# Altium PCB RGV_Control_1V21_unpoly.PcbDoc (part 1 of 5) (continued)
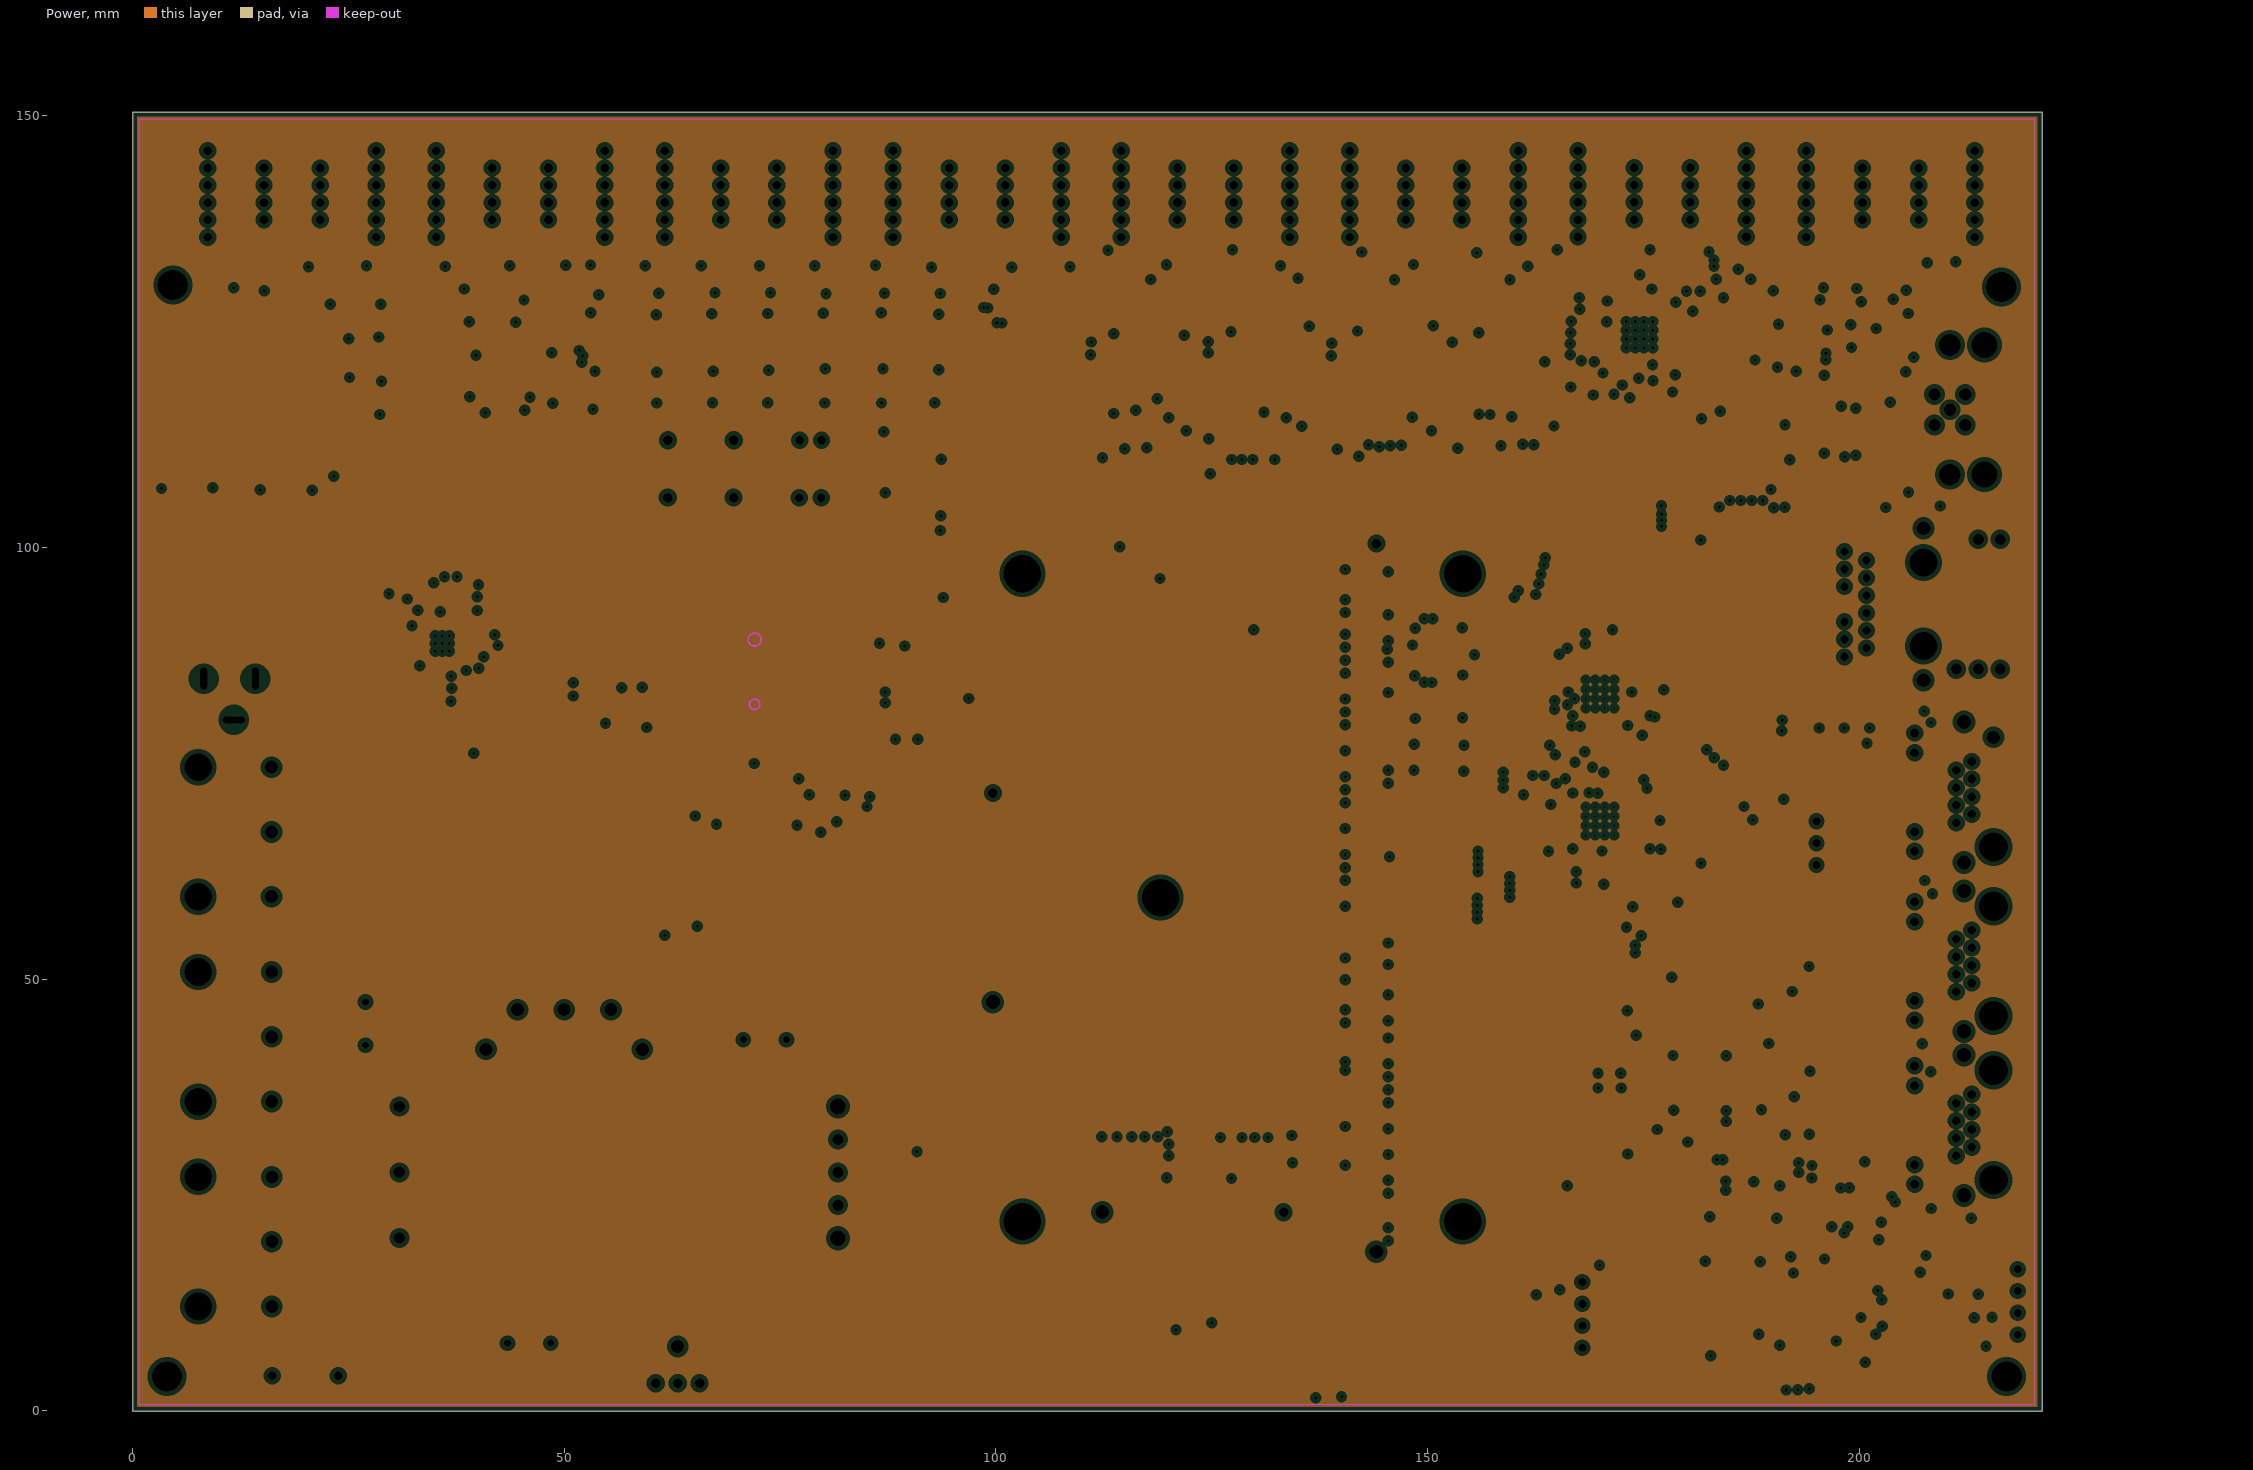
[diagram p3: Power, clearances drawn from the general rule]

## Layer stack, top to bottom
Top Solder: solder mask 0.02, Solder Resist, Dk 3.5
Top Layer: signal copper 0.043
Dielectric 1: prepreg 0.1123, FR-4, Dk 4.8
GND: plane copper 0.035
Dielectric 2: core 1.1794, FR-4, Dk 4.8
Power: plane copper 0.035
Dielectric 3: prepreg 0.1123, FR-4, Dk 4.8
Bottom Layer: signal copper 0.043
Bottom Solder: solder mask 0.02, Solder Resist, Dk 3.5

## Board outline
0.025,-0.025 0.025,150.393 221.132,150.393 221.132,-0.025

## Design rules (kind name [scope] priority, off if disabled: settings)
Clearance [All] p1: gap=0.1 ignorepadtopadclearanceinfootprint=FALSE
DiffPairsRouting DiffPairsRouting_55_100 [(InDifferentialPairClass('LAN'))] p1: maxlimit=0.18 minlimit=0.18 mostfreqgap=0.18 toplayer_minwidth=0.15 toplayer_maxwidth=0.15 toplayer_prefwidth=0.15 bottomlayer_minwidth=0.15 bottomlayer_maxwidth=0.15 bottomlayer_prefwidth=0.15 maxuncoupledlength=12.7
DiffPairsRouting DiffPairsRouting_50_90 [(InDifferentialPairClass('USB'))] p2: maxlimit=0.165 minlimit=0.165 mostfreqgap=0.165 toplayer_minwidth=0.18 toplayer_maxwidth=0.18 toplayer_prefwidth=0.18 bottomlayer_minwidth=0.18 bottomlayer_maxwidth=0.18 bottomlayer_prefwidth=0.18 maxuncoupledlength=12.7
DiffPairsRouting [All] p3: maxlimit=0.254 minlimit=0.254 mostfreqgap=0.254 toplayer_minwidth=0.381 toplayer_maxwidth=0.381 toplayer_prefwidth=0.381 bottomlayer_minwidth=0.381 bottomlayer_maxwidth=0.381 bottomlayer_prefwidth=0.381 maxuncoupledlength=12.7
PlaneClearance [All] p1: clearance=0.508
PlaneConnect PlaneConnect_X1 [HasFootprint('T_JAE_MM70-314-310B1')] p1: planeconnectstyle=Direct reliefexpansion=0.508 reliefentries=4 reliefconductorwidth=0.254 reliefairgap=0.254
PlaneConnect PlaneConnect_VIAS [Isvia] p2: planeconnectstyle=Direct reliefexpansion=0.508 reliefentries=4 reliefconductorwidth=0.254 reliefairgap=0.254
PlaneConnect [All] p3: planeconnectstyle=Relief reliefexpansion=0.3 reliefentries=4 reliefconductorwidth=0.3 reliefairgap=0.15
PolygonConnect [All] p1: connectstyle=Relief reliefconductorwidth=0.254 reliefentries=4 polygonreliefangle="90 Angle" airgapwidth=0.254
RoutingVias [All] p1: holewidth=0.3 width=0.6 viastyle="Through Hole" minholewidth=0.3 minwidth=0.6 maxholewidth=0.3 maxwidth=0.6
SolderMaskExpansion [All] p1: expansion=0.102
Width Relay [(InNet('RL11') OR InNet('RL12') OR InNet('RL21') OR InNet('RL22'))] p1: maxlimit=1.5 minlimit=0.3 preferedwidth=0.5
Width Single_Ended_50 [(InDifferentialPairClass('USB') or InDifferentialPairClass('HDMI'))or (InNet('VGA1_R') or InNet('VGA1_G') or InNet('VGA1_B')or InNet('VGA1_HSYNC')or InNet('VGA1_VSYNC')or InNet('VGA1_HSYNC_5V')or InNet('VGA1_VSYNC_5V')or InNet('VGA1_HSYNC_5V_R')or InNet('VGA1_VSYNC_5V_R'))] p2: maxlimit=0.18 minlimit=0.1 preferedwidth=0.18
Width Single_Ended_55 [(InDifferentialPairClass('LAN') or InDifferentialPairClass('LVDS') or InDifferentialPairClass('SATA'))] p3: maxlimit=0.15 minlimit=0.15 preferedwidth=0.15
Width Power [(InNet('3.3V') OR InNet('5V_SW') OR InNet('3.3V_APALIS')OR  InNet('3.3V_SW') OR InNet('GND_IN')OR InNet('12V_IN') OR InNet('48V_IN') OR InNet('AGND') OR InNet('EARTH') OR InNet('OUT_12V+') OR InNet('GND') OR InNet('12G_ISO') OR InNet('12V_ISO') OR InNet('3.3V_CAN') OR InNet('3.3V_MMC') OR InNet('3.3V_NB') OR InNet('3.3V_RS232') OR InNet('3.3V_UART') OR InNet('3V3')OR InNet('CAN_5V_ISO') OR InNet('CAN_GND_ISO') OR InNet('RS232_5V_ISO') OR InNet('RS232_GND_ISO') OR InNet('VBUS_NB') OR InNet('RS485_3.3V_ISO') OR InNet('RS485_GND_ISO') OR InNet('VCC_1V8') OR InNet('SHIELD') OR InNet('V5FILT') OR InNet('VREG3') OR InNet('NetC53_1') OR InNet('NetC53_2') OR InNet('NetC56_1') OR InNet('NetC56_2') OR InNet('NetD19_3') OR InNet('NetD19_2') OR InNet('NetC164_2') OR InNet('NetD20_2') OR InNet('NetC66_1')OR InNet('DOO01') OR InNet('DOO02') OR InNet('VUSB'))] p4: maxlimit=1.2 minlimit=0.1 preferedwidth=0.3
Width [All] p5: maxlimit=0.3 minlimit=0.1 preferedwidth=0.15
27 further rules are at their usual default settings.

## Classes and differential pairs
differential pair class LAN: ETH1_MDI0 ETH1_MDI1 ETH1_MDI2 ETH1_MDI3
differential pair class USB: BC20_DEBUG BC20_DEBUG_CON USB_BC20 USB_NB_CON USBH2_D USBH2B_D USBH2B_D_CON USBH2C_D USBH2C_D_CON USBH2D_D USBH2D_D_CON USBH3_D USBH4_D
net class USBH2_[0..1]: USBH2_0 USBH2_1
net class SYSTEM_CTRL_MXM[0..3]: SYSTEM_CTRL_MXM0 SYSTEM_CTRL_MXM1 SYSTEM_CTRL_MXM2 SYSTEM_CTRL_MXM3
net class SYSTEM_CTRL[0..3]: SYSTEM_CTRL0 SYSTEM_CTRL1 SYSTEM_CTRL2 SYSTEM_CTRL3
component class 15_GPIOs_2: C28 C29 DO1 DO2 IC7 LED10 Q3 Q4 R51 R52 R53 R54 R55 R56 R144 RA2 RP1 T11 TP11 TP12 U15 U16 U17
component class 14_GPIOs_1: C15 C16 C17 C18 C19 C20 C21 C22 C23 C24 C25 C26 C27 D1 D2 D3 D4 D5 D6 D7 D8 D9 D10 D11 D12 DI1 DI2 DI3 DI4 DI5 DI6 DI7 DI8 DI9 DI10 DI11 DI12 DI13 DI14 IC6 L3 LED5 LED6 P3 P4 P5 P6 P7 Q1 Q2 R15 R16 R17 R18 R19 R20 R21 R22 R23 R24 R25 R26 R27 R28 R29 R30 R31 R32 R39 R44 R45 R46 R47 R48 R49 R50 R136 R137 R138 R139 RA3 RA11 U1 U2 U3 U4 U5 U6 U7 U8 U9 U10 U11 U12 U13 U14
component class 13_NB-IOT_Peripheral: C43 C44 C45 C46 C47 C48 C49 C50 C51 C52 D40 D41 D42 IC8 IC9 IC10 L5 L17 R66 R67 R68 R69 R70 R71 R72 R74 R75 R76 R77 TP9 TP10 X5
component class 12_NB-IOT_Core: C30 C31 C32 C33 C34 C35 C36 C37 C38 C39 C40 C41 C42 C172 C173 C174 C175 C176 D36 D37 D38 D39 J1 J2 L4 L16 LED7 LED8 R57 R58 R59 R60 R61 R62 R63 R64 R65 SW1 T3 T4 T5 T6 U18 X3 X4
component class 11_RS232_2: C109 C110 C111 C112 C113 C114 C115 C116 C117 C118 C119 C120 C121 C122 C123 C124 C125 C126 C127 C128 C129 C130 C131 IC17 IC18 IC19 IC20 IC21 IC22 L8 P12 R95 TP1101 TP1102
component class 10_RS232_1: C89 C90 C91 C92 C93 C94 C95 C96 C97 C98 C99 C100 C101 C102 C103 C104 C105 C106 C107 C108 IC12 IC13 IC14 IC15 IC16 P11 R93
component class 9_USB_Connectors: D27 D28 D29 D30 D31 D32 D33 D34 D35 L11 L13 L15 P16
component class 8_USB_Hub: C149 C150 C151 C152 C153 C154 C155 C156 C157 C158 C159 C160 C161 C162 IC32 OSC2 R121 R122 R123 R124 R125 R126 R127 R128
component class 7_UART&RS485: C137 C138 C139 C140 C141 C142 C143 C144 C145 C146 C147 C148 C168 C169 IC24 IC25 IC26 IC27 IC28 IC30 IC31 L10 P13 P14 P15 R113 R114 R115 R116 R117 R118 R119 R120 R141 RA8 RA9 RA10 TP701 TP702
component class 6_CAN: C1 C2 C3 C4 C5 C6 C7 C170 C171 IC1 IC2 IC3 IC4 L1 LED1 LED2 LED3 LED4 P1 P2 R1 R2 R3 R4 R5 R6 R7 R8 R142 R143 RA1 TP601 TP602
component class 5_Ethernet: C8 C9 C10 C11 C12 C13 C14 C165 L2 R9 R10 R11 R12 R13 R14 R134 X2
component class 4_SDCard: C134 C135 C136 C166 L9 R103 R104 R105 R106 R107 R108 R109 R110 R111 R112 R135 RA5 RA6 RA7 TP2 X7
component class 3_RTC: BAT1 C132 C133 D25 D26 IC23 OSC1 R96 R97 R98 R99 R100 R101 R102
component class 2_Power_Switch: C65 C66 C67 C71 C72 C73 C74 C75 C76 C77 C78 C79 C80 C81 C82 C83 C84 C86 C87 C88 C167 IC5 IC11 L20 L21 LED9 R33 R34 R35 R36 R37 R38 R40 R41 R42 R43 R83 R84 R85 R86 R87 R88 R89 R90 R91 R140 RA4 SW2 T1 T2 T7 T8 T10 TP1
component class 1_Power_Supply: C53 C54 C55 C56 C57 C58 C59 C60 C61 C62 C63 C64 C68 C69 C70 C163 C164 D19 D20 D21 D22 D23 D24 E1 E2 E3 F1 FU1 FU2 L6 L7 L18 L19 P8 P9 P10 R78 R79 R80 R81 R82 R129 R130 R131 R132 R133 TP3 TP4 TP6 TP7 TP8 U19 U20 U21 X1 X6 Y1 Y2
differential pair BC20_DEBUG: +BC20_DEBUG_P -BC20_DEBUG_N
differential pair BC20_DEBUG_CON: +BC20_DEBUG_CON_P -BC20_DEBUG_CON_N
differential pair USBH4_D: +USBH4_D_P -USBH4_D_N
differential pair USBH3_D: +USBH3_D_P -USBH3_D_N
differential pair USBH2D_D: +USBH2D_D_P -USBH2D_D_N
differential pair USBH2D_D_CON: +USBH2B_D_CON_P -USBH2B_D_CON_N
differential pair USBH2C_D: +USBH2C_D_P -USBH2C_D_N
differential pair USBH2C_D_CON: +USBH2C_D_CON_P -USBH2C_D_CON_N
differential pair USBH2B_D: +USBH2B_D_P -USBH2B_D_N
differential pair USBH2B_D_CON: +USBH2D_D_CON_P -USBH2D_D_CON_N
differential pair USBH2_D: +USBH2_D_P -USBH2_D_N
differential pair USB_NB_CON: +USB_NB_CON_P -USB_NB_CON_N
differential pair USB_BC20: +USB_BC20_P -USB_BC20_N
differential pair ETH1_MDI3: +ETH1_MDI3_P -ETH1_MDI3_N
differential pair ETH1_MDI2: +ETH1_MDI2_P -ETH1_MDI2_N
differential pair ETH1_MDI1: +ETH1_MDI1_P -ETH1_MDI1_N
differential pair ETH1_MDI0: +ETH1_MDI0_P -ETH1_MDI0_N

## Components (designator, comment, footprint, x,y, rotation, side; value= is the part's Value field where it differs from the comment)
BAT1 "=\"Manufacturer Part No.\"" CR1220-Z 72.06,85.649 r270 top
C1 "100nF" T_CAPC0603X33N 189.35,35.65 r270 top
C2 "100nF" T_CAPC0603X33N 188.646,41.759 r90 top
C3 "100nF" T_CAPC0603X33N 174.142,41.759 r90 top
C4 "100nF" T_CAPC0603X33N 189.275,47.875 r270 top
C5 "4.7uF" T_CAPMP3216X180N 174.701,57.664 r90 top
C6 "1uF" T_CAPMP3216X180N 182.22,46.865 r180 top
C7 "100nF" T_CAPC0603X33N 173.025,57.608 r270 top
C8 "1nF" CAPC1005X60N 210.414,104.791 r0 top
C9 "100nF" T_CAPC0603X33N 192.405,80.791 r90 top
C10 "100nF" T_CAPC0603X33N 201.168,80.791 r90 top
C11 "100nF" T_CAPC0603X33N 193.04,78.765 r0 top
C12 "100nF" T_CAPC0603X33N 198.247,80.791 r90 top
C13 "47uF" T_CAPMP3216X180N 197.968,77.267 r0 top
C14 "100nF" T_CAPC0603X33N 195.326,80.791 r90 top
C15 "104/50V" 0603c 81.407,130.404 r90 top
C16 "104/50V" 0603c 36.983,129.704 r90 bottom
C17 "104/50V" 0603c 88.062,130.404 r90 top
C18 "104/50V" 0603c 44.375,129.704 r90 bottom
C19 "104/50V" 0603c 94.717,130.404 r90 top
C20 "104/50V" 0603c 51.575,129.704 r90 bottom
C21 "104/50V" 0603c 55.016,130.404 r90 top
C22 "100nF" T_CAPC0603X33N 183.083,100.787 r180 bottom
C23 "100nF" T_CAPC0603X33N 183.083,114.884 r180 bottom
C24 "104/50V" 0603c 61.951,130.404 r90 top
C25 "104/50V" 0603c 68.436,130.404 r90 top
C26 "104/50V" 0603c 74.922,130.404 r90 top
C27 "100nF" T_CAPC0603X33N 98.877,129.21 r270 top
C28 "4.7uF" T_CAPMP3216X180N 14.55,128.025 r180 bottom
C29 "1uF" T_CAPMP3216X180N 25.107,121.121 r90 bottom
C30 "100nF" T_CAPC0603X33N 186.08,26.568 r180 top
C31 "NM" T_CAPC0603X33N 209.349,21.525 r90 top
C32 "NM" T_CAPC0603X33N 213.825,21.525 r90 top
C33 "100pF" T_CAPC0603X33N 178.246,7.782 r0 top
C34 "NM" T_CAPC0603X33N 181.356,6.385 r180 top
C35 "NM" T_CAPC0603X33N 183.566,7.045 r90 top
C36 "100nF" T_CAPC0603X33N 189.75,9.601 r270 bottom
C37 "33pF" T_CAPC0603X33N 190.975,9.6 r90 bottom
C38 "4.7uF" T_CAPC0603X33N 163.122,14.224 r270 top
C39 "100nF" T_CAPC0603X33N 164.465,14.224 r270 top
C40 "33pF" T_CAPC0603X33N 195.1,16.85 r270 bottom
C41 "33pF" T_CAPC0603X33N 194.462,6.274 r180 bottom
C42 "33pF" T_CAPC0603X33N 195.936,7.518 r180 bottom
C43 "4.7uF" T_CAPC0603X33N 213.995,8.255 r270 top
C44 "100nF" T_CAPC0603X33N 197.942,16.688 r270 bottom
C45 "100nF" T_CAPC0603X33N 207.874,17.374 r180 bottom
C46 "1uF" T_CAPC0603X33N 209.499,13.792 r270 bottom
C47 "100nF" T_CAPC0603X33N 212.166,11.913 r270 bottom
C48 "4.7uF" T_CAPC0603X33N 210.922,11.913 r270 bottom
C49 "100nF" T_CAPC0603X33N 190.325,19.675 r180 bottom
C50 "1uF" T_CAPC0603X33N 190.319,18.288 r180 bottom
C51 "2.2uF" T_CAPC0603X33N 195.975,20.8 r180 bottom
C52 "100nF" T_CAPC0603X33N 196,22.15 r180 bottom
C53 "1uF-100V-10%-1210-X7R" 1210 46.203,17.399 r0 top
C54 "1uF-100V-10%-1210-X7R" 1210 40.919,24.054 r90 top
C55 "1uF-100V-10%-1210-X7R" 1210 46.253,21.717 r0 top
C56 "1uF-100V-10%-1210-X7R" 1210 73.355,31.623 r0 top
C57 "10nF-2KV-10%-1210-X7R" 1210 22.657,27.534 r0 bottom
C58 "10nF-2KV-10%-1210-X7R" 1210 22.733,22.86 r0 top
C59 "10uf-50V-20%-1210-X5R" CAPC3225X160N 41.456,77.622 r270 top value=10uF
C60 "10uf-50V-20%-1210-X5R" CAPC3225X160N 37.531,77.622 r270 top value=10uF
C61 "10uf-50V-20%-1210-X5R" CAPC3225X160N 33.607,77.622 r270 top value=10uF
C62 "22uF" CAPMP3528X210N 143.002,107.925 r180 top
C63 "4.7uF" T_CAPMP3216X180N 151.257,85.217 r0 top
C64 "4.7uF" T_CAPMP3216X180N 151.257,90.703 r0 top
C65 "10uF" T_CAPC0805X125N 38.506,82.906 r90 top
C66 "100nF" T_CAPC0603X33N 39.957,88.113 r90 top
C67 "1uF" T_CAPC0603X33N 34.788,83.528 r90 top
C68 "4.7uF" T_CAPMP3216X180N 151.257,77.089 r0 top
C69 "4.7uF" T_CAPMP3216X180N 151.257,74.092 r0 top
C70 "4.7uF" T_CAPMP3216X180N 151.257,80.213 r0 top
C71 "10uF" CAPC3225X160N 24.856,84.43 r180 top
C72 "10uF" CAPC3225X160N 24.856,80.747 r180 top
C73 "100nF" T_CAPC0603X33N 52.756,85.09 r90 top
C74 "1nF" T_CAPC0603X33N 36.155,94.463 r270 top
C75 "2.7nF" CAPC1005X60N 38.544,95.68 r270 top
C76 "10uF" T_CAPC0805X125N 52.654,81.839 r270 top
C77 "150uF" CAPMP7343X310N 30.493,105.742 r0 top
C78 "100nF" T_CAPC0603X33N 31.344,88.43 r90 top
C79 "150uF" CAPMP7343X310N 30.493,100.025 r0 top
C80 "10uF" T_CAPC0603X33N 33.518,83.528 r90 top
C81 "10uF" CAPC3225X160N 29.682,77.622 r270 top
C82 "10uF" CAPC3225X160N 46.319,80.747 r0 top
C83 "10uF" CAPC3225X160N 46.319,84.43 r0 top
C84 "150uF" CAPMP7343X310N 40.653,105.742 r180 top
C86 "150uF" CAPMP7343X310N 40.653,100.025 r180 top
C87 "1nF" T_CAPC0603X33N 33.048,94.793 r90 top
C88 "10nF" T_CAPC0603X33N 69.799,57.969 r90 top
C89 "100nF" T_CAPC0603X33N 121.2,131.95 r90 top
C90 "100nF" T_CAPC0603X33N 111.884,131.216 r90 top
C91 "4.7uF" T_CAPC0603X33N 162.154,72.187 r270 top
C92 "4.7uF" T_CAPC0603X33N 176.941,66.721 r90 top
C93 "4.7uF" T_CAPC0603X33N 168.732,61.138 r0 top
C94 "100nF" T_CAPC0603X33N 168.732,62.433 r0 top
C95 "100nF" T_CAPC0603X33N 175.696,66.721 r90 top
C96 "470nF" T_CAPC0603X33N 110.614,129.21 r90 top
C97 "100nF" T_CAPC0603X33N 163.5,72.187 r270 top
C98 "100nF" T_CAPC0603X33N 113.005,111.328 r180 top
C99 "100nF" T_CAPC0603X33N 121.075,125.625 r180 top
C100 "470nF" T_CAPC0603X33N 114.7,133.325 r0 top
C101 "470nF" T_CAPC0603X33N 112.75,125.925 r180 top
C102 "100nF" T_CAPC0603X33N 134.3,131.95 r270 top
C103 "100nF" T_CAPC0603X33N 124.99,131.368 r90 top
C104 "470nF" T_CAPC0603X33N 123.67,129.299 r90 top
C105 "100nF" T_CAPC0603X33N 126.543,111.328 r180 top
C106 "100nF" T_CAPC0603X33N 134.575,125.679 r180 top
C107 "470nF" T_CAPC0603X33N 128.3,133.325 r0 top
C108 "470nF" T_CAPC0603X33N 125.168,126.009 r180 top
C109 "4.7uF" T_CAPMP3216X180N 114.383,97.321 r270 bottom
C110 "1uF" T_CAPMP3216X180N 121.647,108.527 r180 bottom
C111 "100nF" T_CAPC0603X33N 168.402,118.567 r180 top
C112 "100nF" T_CAPC0603X33N 149.809,131.928 r90 top
C113 "100nF" T_CAPC0603X33N 140.183,131.318 r90 top
C114 "4.7uF" T_CAPC0603X33N 166.325,76.075 r0 top
C115 "4.7uF" T_CAPC0603X33N 169.85,90.021 r0 top
C116 "4.7uF" T_CAPC0603X33N 176.987,81.89 r90 top
C117 "100nF" T_CAPC0603X33N 175.743,81.915 r90 top
C118 "100nF" T_CAPC0603X33N 169.85,88.827 r0 top
C119 "470nF" T_CAPC0603X33N 138.786,129.235 r90 top
C120 "100nF" T_CAPC0603X33N 166.3,77.275 r0 top
C121 "100nF" T_CAPC0603X33N 141.224,111.379 r180 top
C122 "100nF" T_CAPC0603X33N 149.098,125.679 r180 top
C123 "470nF" T_CAPC0603X33N 143.05,133.325 r0 top
C124 "470nF" T_CAPC0603X33N 141.097,125.781 r180 top
C125 "100nF" T_CAPC0603X33N 162.814,131.775 r270 top
C126 "100nF" T_CAPC0603X33N 153.492,131.318 r90 top
C127 "470nF" T_CAPC0603X33N 152.171,129.261 r90 top
C128 "100nF" T_CAPC0603X33N 155.2,111.4 r180 top
C129 "100nF" T_CAPC0603X33N 162.992,125.679 r180 top
C130 "470nF" T_CAPC0603X33N 156.45,133.325 r0 top
C131 "470nF" T_CAPC0603X33N 154.915,125.781 r180 top
C132 "22uF" CAPC3225X160N 94.499,84.061 r90 top
C133 "100nF" T_CAPC0603X33N 90.221,87.528 r0 top
C134 "10uF" T_CAPC0603X33N 121.45,30.875 r0 bottom
C135 "100nF" T_CAPC0603X33N 121.458,29.563 r0 bottom
C136 "10nF" T_CAPC0603X33N 133.604,29.563 r180 bottom
C137 "100nF" T_CAPC0603X33N 189.7,70.85 r180 top
C138 "100nF" T_CAPC0603X33N 181.127,68.923 r90 top
C139 "100nF" T_CAPC0603X33N 179.756,66.675 r90 top
C140 "100nF" T_CAPC0603X33N 185.95,70.85 r180 top
C141 "100nF" T_CAPC0603X33N 181.178,64.872 r90 top
C142 "100nF" T_CAPC0603X33N 204.089,106.375 r0 bottom
C143 "100nF" T_CAPC0603X33N 204.038,120.32 r0 bottom
C144 "4.7uF" T_CAPMP3216X180N 184.658,131.089 r180 bottom
C145 "1uF" T_CAPMP3216X180N 195.301,123.825 r90 bottom
C146 "100nF" T_CAPC0603X33N 191.237,106.705 r180 top
C147 "100nF" T_CAPC0603X33N 191.211,120.396 r180 top
C148 "100nF" T_CAPC0603X33N 188.168,132.907 r180 bottom
C149 "4.7uF" T_CAPC0603X33N 168.541,122.326 r0 top
C150 "100nF" T_CAPC0603X33N 168.541,123.571 r0 top
C151 "100nF" T_CAPC0603X33N 173.66,120.193 r0 top
C152 "100nF" T_CAPC0603X33N 180.746,128.549 r180 top
C153 "100nF" T_CAPC0603X33N 178.65,121.525 r90 top
C154 "100nF" T_CAPC0603X33N 169.266,127.584 r0 top
C155 "100nF" T_CAPC0603X33N 174.574,129.794 r270 top
C156 "1uF" T_CAPC0603X33N 169.24,128.905 r0 top
C157 "33pF" T_CAPC0603X33N 186.588,127.381 r270 top
C158 "100nF" T_CAPC0603X33N 168.504,126.187 r0 top
C159 "1uF" T_CAPC0603X33N 168.515,124.841 r0 top
C160 "33pF" T_CAPC0603X33N 186.588,121.615 r90 top
C161 "100nF" T_CAPC0603X33N 180.061,126.56 r270 top
C162 "1uF" T_CAPC0603X33N 181.331,126.56 r270 top
C163 "1uF-100V-10%-1210-X7R" 1210 36.551,24.054 r90 top
C164 "100nf-50V-10%-0603-X7R" T_CAPC0603X33N 22.555,53.315 r90 top value=100nF
C165 "100nF" T_CAPC0603X33N 207.848,104.635 r180 top
C166 "100nF" T_CAPC0603X33N 137.795,2.311 r90 bottom
C167 "100nF" T_CAPC0603X33N 65.236,70.387 r90 top
C168 "100nF" T_CAPC0603X33N 202.475,128.525 r0 top
C169 "100nF" T_CAPC0603X33N 209.1,78.875 r0 bottom
C170 "100nF" T_CAPC0603X33N 209.067,40.183 r0 bottom
C171 "100nF" T_CAPC0603X33N 209.194,58.928 r0 bottom
C172 "100nf-50V-10%-0603-X7R" T_CAPC0603X33N 193.726,27.61 r180 top value=100nF
C173 "100pf-50V-10%-0603-X7R" T_CAPC0603X33N 193.687,26.289 r180 top value=100nF
C174 "22pf-50V-5%-0402-NP0" CAPC0402 191.262,26.086 r0 top value=100nF
C175 "100uf-10V-10%-3528-TA" T_CAPMP3216X180N 191.364,29.032 r90 top value=1uF
C176 "100nf-50V-10%-0603" T_CAPC0603X33N 183.464,21.895 r180 top value=100nF
D1 "LL4148" 3216 81.255,128.118 r90 top
D2 "LL4148" 3216 36.958,127.367 r90 bottom
D3 "LL4148" 3216 88.113,128.118 r90 top
D4 "LL4148" 3216 44.223,127.367 r90 bottom
D5 "LL4148" 3216 94.767,128.118 r90 top
D6 "LL4148" 3216 51.422,127.267 r90 bottom
D7 "LL4148" 3216 54.839,128.092 r90 top
D8 "LL4148" 3216 61.976,128.092 r90 top
D9 "LL4148" 3216 68.402,128.118 r90 top
D10 "LL4148" 3216 78.511,103.226 r270 top
D11 "LL4148" 3216 78.384,109.703 r270 top
D12 "LL4148" 3216 74.828,128.118 r90 top
D19 "MBRB735PBF" T_VISHAY_MBRB735PBF 47.066,60.427 r90 top
D20 "=\"Manufacturer Part No.\"" T_VISHAY_MBRB735PBF 30.657,60.427 r90 top
D21 "LED红" LC-0805_LED_S3 9.322,109.627 r90 top
D22 "LED红" LC-0805_LED_S3 20.856,109.627 r90 top
D23 "LED红" LC-0805_LED_S3 14.832,109.627 r90 top
D24 "LED红" LC-0805_LED_S3 3.429,109.627 r90 top
D25 "BAT54" SOT95P230X110-3N 94.427,89.731 r270 top
D26 "BAT54" SOT95P230X110-3N 90.703,91.415 r270 top
D27 "ESD9L5.0ST5G" LC-SOD-923 171.552,142.766 r90 bottom
D28 "ESD9L5.0ST5G" LC-SOD-923 175.775,142 r90 bottom
D29 "ESD9L5.0ST5G" LC-SOD-923 178.075,142.766 r90 bottom
D30 "ESD9L5.0ST5G" LC-SOD-923 182.35,142 r90 bottom
D31 "ESD9L5.0ST5G" LC-SOD-923 165.252,142.766 r90 bottom
D32 "ESD9L5.0ST5G" LC-SOD-923 169.52,142 r90 bottom
D33 "PTVSHC3D12VU" LC-SOD-323 164.998,136.931 r90 bottom
D34 "PTVSHC3D12VU" LC-SOD-323 175.675,136.7 r90 bottom
D35 "PTVSHC3D12VU" LC-SOD-323 182.525,137.05 r90 bottom
D36 "PTVSHC3D12VU" LC-SOD-323 193.116,30.836 r270 top
D37 "PTVSHC3D12VU" LC-SOD-323 170.815,15.723 r270 top
D38 "ESD9L5.0ST5G" LC-SOD-923 166.091,13.564 r90 bottom
D39 "ESD9L5.0ST5G" LC-SOD-923 166.091,8.763 r270 bottom
D40 "PTVSHC3D12VU" LC-SOD-323 216.129,9.576 r270 bottom
D41 "ESD9L5.0ST5G" LC-SOD-923 216.383,15.697 r90 bottom
D42 "ESD9L5.0ST5G" LC-SOD-923 215.325,12.4 r90 top
DI1 "LED绿" LC-0805_LED_S3 81.286,132.625 r180 top
DI2 "LED绿" LC-0805_LED_S3 35.357,132.625 r180 top
DI3 "LED绿" LC-0805_LED_S3 88.011,132.625 r180 top
DI4 "LED绿" LC-0805_LED_S3 41.876,132.625 r180 top
DI5 "LED绿" LC-0805_LED_S3 94.53,132.625 r180 top
DI6 "LED绿" LC-0805_LED_S3 48.395,132.625 r180 top
DI7 "LED绿" LC-0805_LED_S3 54.915,132.625 r180 top
DI8 "LED绿_0805" LC-0805_LED_S3 100.975,132.625 r180 top
DI9 "LED绿_0805" LC-0805_LED_S3 107.569,132.625 r180 top
DI10 "LED绿_0805" LC-0805_LED_S3 211.15,130.225 r270 top
DI11 "LED绿" LC-0805_LED_S3 61.722,132.625 r180 top
DI12 "LED绿_0805" LC-0805_LED_S3 207.975,130.225 r270 top
DI13 "LED绿" LC-0805_LED_S3 68.243,132.625 r180 top
DI14 "LED绿" LC-0805_LED_S3 74.765,132.625 r180 top
DO1 "LED绿" LC-0805_LED_S3 39.319,127.102 r90 top
DO2 "LED绿" LC-0805_LED_S3 39.294,118.389 r90 top
E1 "220uF-100V-RB0.3" 5*13 45.949,7.849 r0 top locked
E2 "470uF/35V/ZLH" RB0.3 27,44.85 r270 top
E3 "1000uF/35V/ZLH" 5*13 73.254,43.002 r0 top
F1 "21612.5P" RAD0.3 20.015,4.089 r90 top
FU1 "FUSE/15A" FUSE-1808-3A 49.225,75.946 r0 top
FU2 "FUSE/3A" FUSE-1808-3A 21.463,61.214 r90 top
IC1 "MCP2551T-I/SN" SOIC127P600X173-8N 193.8,35.805 r0 top
IC2 "ADuM1402ARWZ" T_AD_ADuM1300ARW 181.458,37.974 r0 top locked
IC3 "MCP2551T-I/SN" SOIC127P600X173-8N 193.802,47.93 r0 top
IC4 "B0505XT-1W" MORNSUN_B0305XT-1W_SMD 182.042,55.144 r0 top locked
IC5 "TPS51120" QFN50P500X500X100-33N 35.905,88.875 r270 top locked
IC6 "ADuM1400ARWZ" T_AD_ADuM1300ARW 186.893,107.823 r270 bottom
IC7 "B0505XT-1W" MORNSUN_B0305XT-1W_SMD 16.979,120.532 r270 bottom
IC8 "=\"Manucfacturer Part NO.\"" LC-QFN-24_4x4x05P 212.674,16.256 r180 bottom
IC9 "=\"Manufacturer Part No.\"" LC-TSSOP-20 202.616,19.718 r90 bottom
IC10 "=\"Manufacturer Part No.\"" LC-SOT-23-5 190.992,22.352 r180 bottom
IC11 "NCV4264-2ST50T3G" T_ON_NCV4264-2ST50T3G 57.937,83.729 r0 top
IC12 "=\"Manucfacturer Part NO.\"" QFN50P900X900X90_HS-65N 169.926,68.301 r0 top locked
IC13 "ADuM1402ARWZ" T_AD_ADuM1300ARW 116.815,118.339 r90 top locked
IC14 "MAX3232EUE" LC-TSSOP-16 116.558,129.399 r270 top
IC15 "ADuM1402ARWZ" T_AD_ADuM1300ARW 130.404,118.339 r90 top locked